# Altium PCB edison_gateway_v3.PcbDoc (part 3 of 3)
Units mil, origin at the board's own origin, x right, y up, seen from the top; angles counter-clockwise.
Board outline 3917.32 x 3149.61 mil, 6 copper layers (Top Layer, GND, Signal Layer 1, VCC, GND (Mid4), Bottom Layer), stack 48.468 mil thick; 252 components, 213 nets, 1042 pads, 505 vias.
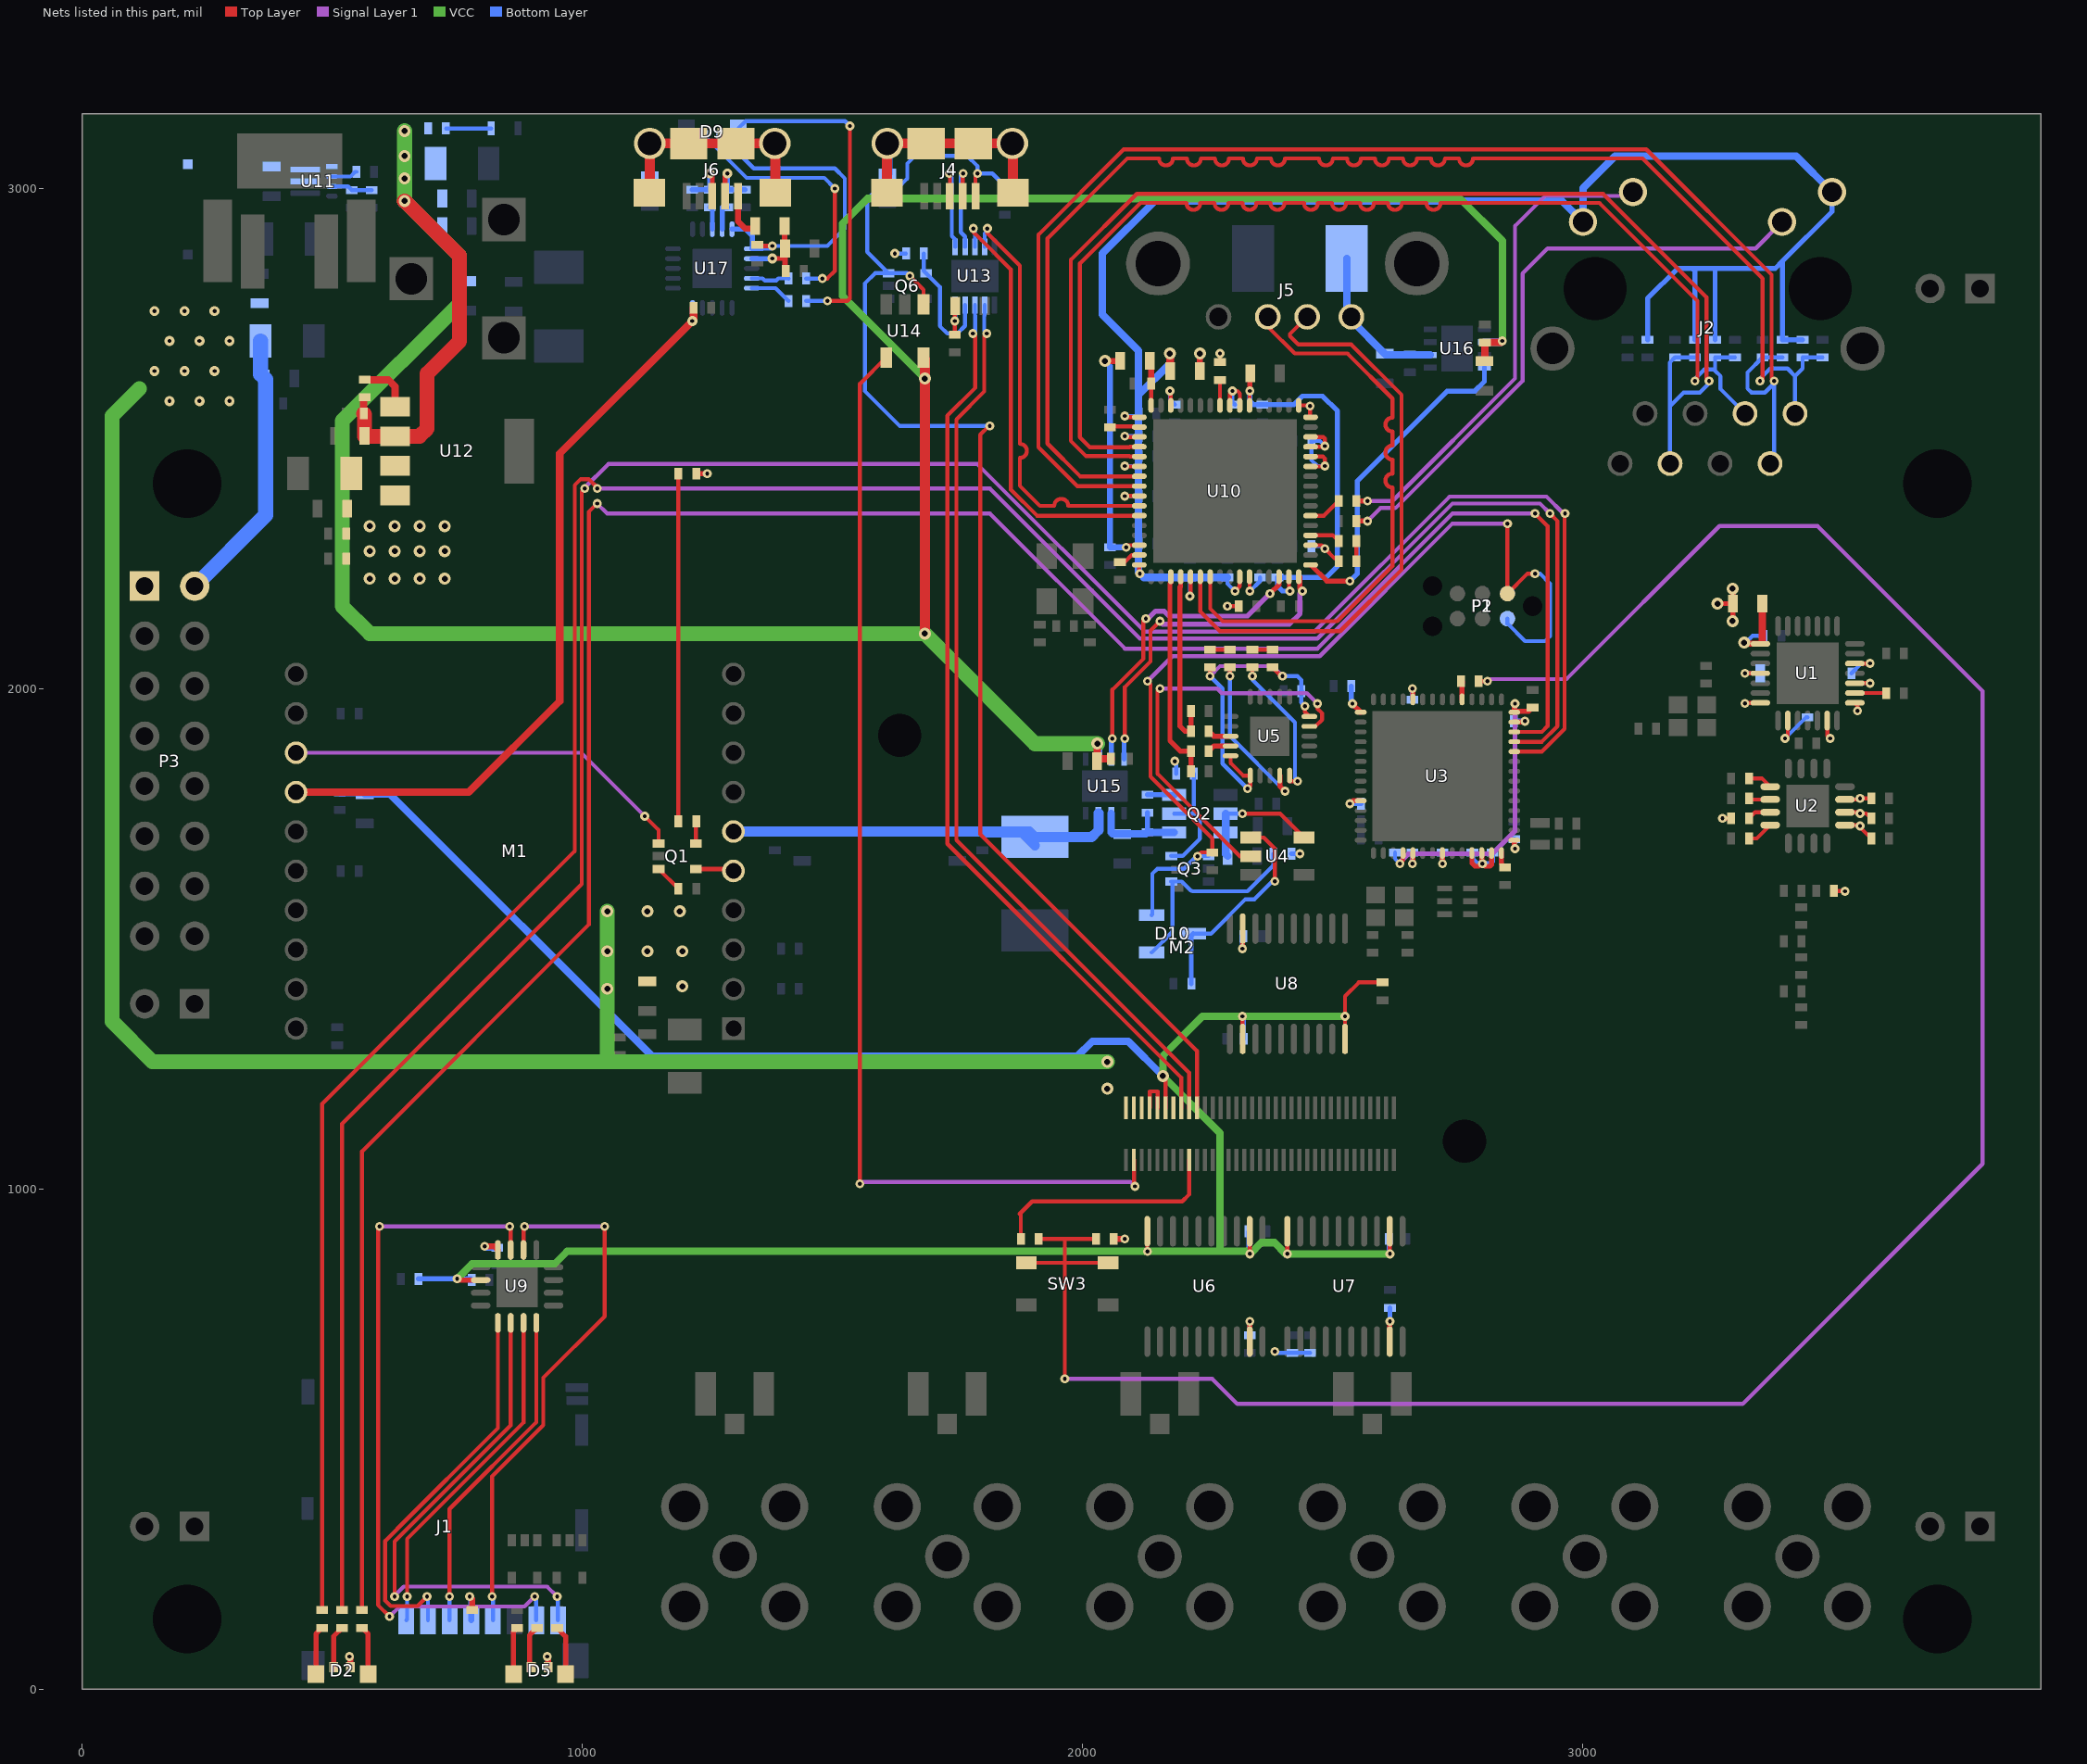
[diagram p7: the nets of this part, all layers, seen from the top]

## Via types
v1: diameter 18, hole 8, Top Layer to Bottom Layer, 397 vias
v2: diameter 24, hole 12, Top Layer to Bottom Layer, 59 vias
v3: diameter 20, hole 8, Top Layer to Bottom Layer, 28 vias
v4: diameter 22, hole 8, Top Layer to Bottom Layer, 13 vias
v5: diameter 19.68, hole 8, Top Layer to Bottom Layer, 8 vias

## Nets (pads, with @x,y where several pads share a name; then routed paths per layer and width w, separated by ;. In a path a pad name is that pad's centre, name@x,y a point inside that pad or via, vN(x,y) a via of type N, cw(c..) or ccw(c..) an arc to the next point about the centre after c; other vN are vias at no path point) (continued)
NetC64_1: C64.1 C65.1 U3.32 U3.56 | length 622.3
  Top Layer w8: v1(2635.34,1650) 2641.32,1655.98 2641.32,1671.46 U3.32@2641.42,1671.46
  Top Layer w10: v1(2865.32,1970) 2863.86,1968.54 U3.56@2863.86,1952.95 2865.91,1955 2893.03,1955 C64.1@2900.32,1962.28
  Signal Layer 1 w10: v1(2635.34,1650) 2635.34,1653.31 2652.03,1670 2820.32,1670 2865.32,1715 v1(2865.32,1970)
  Bottom Layer w8: C65.1@2625.32,1672.28 2625.32,1660.02 v1(2635.34,1650)
NetC107_1: C107.1 C108.1 FB9.1 U17.12 | length 153
  Top Layer w10: v3(1380.32,2860) 1405.79,2860
  Top Layer w12: FB9.1@1404.84,2920 1404.84,2880.94 C107.1@1405.79,2880 1405.79,2860 1405.79,2836.81 C108.1@1407.6,2835
  Bottom Layer w10: U17.12@1339.06,2859.68 1380,2859.68 v3(1380.32,2860)
NetC109_1: C109.1 J6.2 R58.1 | length 114.4
  Top Layer w10: J6.2@1285.91,2984.68 1285.91,3025.59 v3(1290.32,3030)
  Bottom Layer w10: v3(1290.32,3030) R58.1@1290.32,2997.72 C109.1@1325.32,2997.72
NetC110_1: C110.1 J6.3 R59.1 | length 114.7
  Top Layer w10: v3(1255.32,3030) 1260.32,3025 J6.3@1260.32,2984.68
  Bottom Layer w10: C110.1@1220.32,2997.72 R59.1@1255.32,2997.72 v3(1255.32,3030)
NetD1_2: D1.2 R5.1 | length 695
  Top Layer w8: R5.1@1192.6,1735 D1.2@1192.6,2430
NetD2_1: D2.1 R18.1 | length 97.3
  Top Layer w10: R18.1@560,122.28 572.17,110.12 D2.1@572.17,30
NetD2_3: D2.3 R19.2 | length 85.4
  Top Layer w10: D2.3@503.27,43.78 503.27,105.55 R19.2@520,122.28
NetD2_4: D2.4 R20.1 | length 97.3
  Top Layer w10: D2.4@467.83,30 467.83,110.12 R20.1@480,122.28
NetD3_1: D3.1 R22.1 | length 40
  Top Layer w8: D3.1@2340.32,2077.72 R22.1@2380.32,2077.72
NetD3_2: D3.2 U5.15 | length 280.2
  Top Layer w8: v1(2340.32,2025) D3.2@2340.32,2042.28 ; U5.15@2414.69,1815 v1(2430.32,1815)
  Bottom Layer w8: v1(2340.32,2025) 2340.32,2017.6 2425.32,1932.6 2425.32,1820 v1(2430.32,1815)
NetD4_1: D4.1 R23.1 | length 40
  Top Layer w8: R23.1@2255.32,2077.72 D4.1@2295.32,2077.72
NetD4_2: D4.2 U5.14 | length 328.4
  Top Layer w8: v1(2295.32,2025) D4.2@2295.32,2042.28
  Top Layer w10: U5.14@2395,1826.26 2395,1805.31 v1(2405.32,1795)
  Bottom Layer w8: v1(2295.32,2025) 2295.32,1905 v1(2405.32,1795)
NetD5_1: D5.1 R27.2 | length 99.4
  Top Layer w10: R27.2@950,122.28 967.17,105.12 D5.1@967.17,30
NetD5_3: D5.3 R28.2 | length 86.1
  Top Layer w10: D5.3@898.27,43.78 895,47.05 895,107.28 R28.2@910,122.28
NetD5_4: D5.4 R29.2 | length 95.3
  Top Layer w10: D5.4@862.83,30 862.83,115.12 R29.2@870,122.28
NetD6_2: D6.2 R46.1 | length 40
  Top Layer w8: D6.2@2548.03,2260 R46.1@2548.03,2300
NetD8_1: D8.1 R53.2 | length 90.7
  Bottom Layer w8: R53.2@727.72,3120 D8.1@818.43,3120
NetD9_1: D9.1 R60.1 | length 667.2
  Top Layer w8: v1(1490.32,2775) 1530.32,2775 1535.32,2780 v1(1535.32,3125)
  Bottom Layer w8: D9.1@1312.48,3120 1327.09,3134.61 1525.71,3134.61 v1(1535.32,3125) ; R60.1@1448.03,2775 v1(1490.32,2775)
NetD9_3: D9.3 R61.1 | length 534.2
  Top Layer w8: v1(1480.32,2820) 1490.32,2820 1505.32,2835 v1(1505.32,3000)
  Bottom Layer w8: D9.3@1243.58,3106.22 1328.8,3021 1484.32,3021 v1(1505.32,3000) ; R61.1@1448.03,2820 v1(1480.32,2820)
NetD10_1: D10.1 Q3.1 R15.2 | length 417
  Bottom Layer w8: D10.1@2138.98,1472.6 2180.32,1513.94 2180.32,1612.01 Q3.1@2177.91,1614.41 2199.04,1614.41 2217.45,1596 2219.32,1596 2220.32,1595 2330.32,1595 2382.6,1647.28 R15.2@2382.6,1670
NetD10_3: D10.3 R62.1 U4.1 | length 438.2
  Top Layer w8: U4.1@2337.17,1702.4 2362.91,1702.4 2385.32,1680 v1(2385.32,1615)
  Bottom Layer w8: D10.3@2221.65,1510 2257.32,1510 2326.32,1579 2344.32,1579 2385.32,1620 v1(2385.32,1615)
  Bottom Layer w10: R62.1@2218.03,1410 2218.03,1506.38 D10.3@2221.65,1510
NetFB8_2: FB8.2 J4.6 | length 508.1
  Top Layer w20: J4.6@1609.33,2991.57 1609.33,3089.02 J4.6@1610.32,3090 J4.6@1688.07,3090 J4.6@1782.56,3090 J4.6@1860.32,3090 1861.3,3089.02 J4.6@1861.3,2991.57
  Bottom Layer w20: FB8.2@1610.32,3029.53 J4.6@1610.32,3090
NetFB9_2: FB9.2 J6.1 | length 90.6
  Top Layer w12: J6.1@1311.5,2984.68 1311.5,2934.29 1325.79,2920 FB9.2@1345.79,2920
NetFB10_2: FB10.2 J6.6 | length 535.6
  Top Layer w20: J6.6@1150.79,2975.12 1135.32,2990.59 J6.6@1135.32,3090 J6.6@1213.07,3090 J6.6@1307.56,3090 J6.6@1385.32,3090 1386.3,3089.02 J6.6@1386.3,2991.57
  Bottom Layer w20: FB10.2@1135.32,3024.53 J6.6@1135.32,3090
NetJ2_10: J2.10 R48.2 | length 1224.9
  Top Layer w10: R48.2@2548.03,2335 v1(2570.32,2335)
  Signal Layer 1 w8: v1(2570.32,2335) 2596.32,2361 2626.11,2361 2880.32,2615.2 2880.32,2830 2930.32,2880 3346.26,2880 J2.10@3399.33,2933.07
NetJ2_11: J2.11 R49.2 | length 987.9
  Top Layer w10: R49.2@2548.03,2375 v1(2570.32,2375)
  Signal Layer 1 w8: v1(2570.32,2375) 2620.32,2375 2865.32,2620 2865.32,2925 2925.32,2985 3093.39,2985 J2.11@3101.3,2992.91
NetJ4_1: J4.1 M2.20 Q6.5 R56.1 U14.1 | length 2810.3
  Top Layer w8: v1(1655.32,2825) 1682.72,2797.6 U14.1@1682.72,2768.15 ; J4.1@1786.5,2984.68 1786.5,3026.18 v1(1790.32,3030) ; v1(1815,2525) 1813.45,2525 1796.32,2507.87 1796.32,1709 2229.33,1275.98 M2.20@2229.33,1161.97
  Bottom Layer w8: v1(1655.32,2825) 1649.72,2830.59 Q6.5@1612.91,2830.59 ; v1(1815,2525) 1635.32,2525 1565.32,2595 1565.32,2810 1585.91,2830.59 Q6.5@1612.91,2830.59 ; R56.1@1845.32,2982.72 1845.32,3005 1820.32,3030 v1(1790.32,3030) 1790.32,3045 1770.32,3065 1665.32,3065 1650.32,3050 1650.32,3020 1630.32,3000 1592.28,3000 1570.32,2978.03 1570.32,2873.19 Q6.5@1612.91,2830.59
NetL5_2: L5.2 U11.6
NetM1_5: M1.5 Q1.1 | length 76.5
  Top Layer w10: Q1.1@1227.72,1639.41 1298.84,1639.41 M1.5@1302.62,1635.63
NetM1_13: M1.13 Q1.3 | length 815.7
  Top Layer w8: v1(1125.32,1745) 1152.91,1717.4 Q1.3@1152.91,1690.59
  Signal Layer 1 w8: M1.13@428.01,1871.85 998.46,1871.85 v1(1125.32,1745)
NetM2_3: M2.3 U14.4 | length 2284
  Top Layer w8: v1(1555.32,1010) 1555.32,2609.25 U14.4@1607.91,2661.85 ; M2.3@2103.35,1058.03 2103.35,1005 v1(2105.32,1005)
  Signal Layer 1 w8: v1(1555.32,1010) 1559.32,1014 2096.32,1014 v1(2105.32,1005)
NetM2_17: M2.17 R37.1 | length 475
  Top Layer w8: R37.1@1877.28,900 1877.28,947.72 1875,950 1900,975 2200,975 2213.58,988.58 M2.17@2213.58,1058.03
NetQ1_2: Q1.2 R5.2 | length 44.5
  Top Layer w8: Q1.2@1227.72,1690.59 1227.72,1734.68 R5.2@1228.03,1735
NetQ1_5: Q1.5 R7.2 | length 56
  Top Layer w8: Q1.5@1152.91,1639.41 1153.19,1639.41 R7.2@1192.6,1600
NetQ2_5: Q2.5 Q3.2 R14.2 | length 248.3
  Bottom Layer w8: Q3.2@2177.91,1665.59 2200.91,1665.59 2235.32,1700 2235.32,1740 2225.32,1750 ; Q2.5@2183.74,1750 2225.32,1750 ; R14.2@2223.03,1830 2223.03,1752.28 2225.32,1750
NetQ2_6: Q2.6 R13.2 | length 53.6
  Bottom Layer w10: R13.2@2130.32,1787.72 Q2.6@2183.43,1787.72
  Bottom Layer w15: Q2.6@2183.43,1787.72 Q2.6@2183.74,1787.4
NetQ6_1: Q6.1 R55.2 U13.9 | length 262.9
  Bottom Layer w8: R55.2@1683.03,2870 1683.03,2835.28 Q6.1@1687.72,2830.59 1715.32,2802.99 1715.32,2725 1730.32,2710 1750.32,2710 1765.63,2725.31 U13.9@1765.63,2766.93
NetR8_2: R8.2 U2.5 | length 49.4
  Top Layer w8: R8.2@3333.03,1820.63 3358.9,1820.63 U2.5@3375.51,1804.02
NetR9_2: R9.2 U2.6 | length 43.4
  Top Layer w8: R9.2@3333.03,1780.63 3335.24,1778.43 U2.6@3375.51,1778.43
NetR10_2: R10.2 U2.7 | length 47.5
  Top Layer w8: R10.2@3333.03,1740.63 3345.24,1752.83 U2.7@3375.51,1752.83
NetR11_1: R11.1 U2.8 | length 53.5
  Top Layer w8: R11.1@3333.03,1700.63 3348.9,1700.63 U2.8@3375.51,1727.24
NetR12_1: R12.1 U1.23 | length 63.1
  Top Layer w8: U1.23@3544.8,1991.26 3606.97,1991.26 R12.1@3607.6,1990.63
NetR18_2: R18.2 U3.54 | length 5020.8
  Top Layer w8: R18.2@560,157.72 560,1075 1013.32,1528.32 1013.32,2353.32 v1(1030,2370) ; U3.54@2863.86,1913.58 2918.9,1913.58 2930.32,1925 2930.32,2325 v1(2905.32,2350)
  Signal Layer 1 w8: v1(1030,2370) 1050,2350 1815.32,2350 2085.32,2080 2470.32,2080 2740.32,2350 v1(2905.32,2350)
NetR19_1: R19.1 U3.52 | length 5239.6
  Top Layer w8: R19.1@520,157.72 520,1130 999.32,1609.32 999.32,2394 v1(1005.32,2400) ; U3.52@2863.86,1874.21 2919.13,1874.21 2964.32,1919.4 2964.32,2349 v1(2965.32,2350)
  Signal Layer 1 w8: v1(1005.32,2400) 1005.32,2401.87 1052.45,2449 1790.32,2449 2125.32,2114 2464.52,2114 2734.52,2384 2928.18,2384 2962.18,2350 v1(2965.32,2350)
NetR20_2: R20.2 U3.53 | length 5197.3
  Top Layer w8: R20.2@480,157.72 480,1170 985.32,1675.32 985.32,2406.87 997.45,2419 1013.18,2419 1030.32,2401.87 v1(1030.32,2400) ; U3.53@2863.86,1893.9 2919.01,1893.9 2950.32,1925.2 2950.32,2335 v1(2935.32,2350)
  Signal Layer 1 w8: v1(1030.32,2400) 1815.32,2400 2115.32,2100 2470.32,2100 2740.32,2370 2915.32,2370 v1(2935.32,2350)
NetR21_2: R21.2 U5.9 | length 47.8
  Top Layer w10: R21.2@2253.03,1875 2263.35,1885.31 U5.9@2296.57,1885.31
NetR24_2: R24.2 U5.8 | length 47.7
  Top Layer w10: R24.2@2253.03,1915 2263.03,1905 U5.8@2296.57,1905
NetR26_1: R26.1 U3.42 | length 31.7
  Top Layer w10: U3.42@2838.27,1671.46 2838.27,1649.76 R26.1@2845.32,1642.72
NetR35_2: R35.2 R36.2 R37.2 SW3.1 SW3.2 | length 4830.2
  Top Layer w8: SW3.1@1888.31,852.32 1965,852.32 ; R37.2@1912.72,900 1965,900 ; v1(1965,620) 1965,852.32 ; R35.2@2027.28,900 1965,900 ; SW3.2@2051.69,852.32 1965,852.32 ; R36.2@2793.03,2015 v1(2810.32,2015) ; 1965,852.32 1965,900
  Signal Layer 1 w8: v1(1965,620) 2260,620 2310,570 3320.32,570 3800.32,1050 3800.32,1995 3470.32,2325 3274.32,2325 2968.32,2019 2814.32,2019 v1(2810.32,2015)
NetR36_1: R36.1 U3.5 | length 34.1
  Top Layer w10: U3.5@2759.53,1978.54 2759.53,2011.5 R36.1@2760.32,2012.28
NetR38_2: R38.2 U10.50 | length 58.7
  Top Layer w8: R38.2@2058.03,2520 2062.03,2524 2114.06,2524 U10.50@2114.06,2522.95
NetR39_2: R39.2 U10.41 | length 51.1
  Top Layer w8: R39.2@2275.32,2617.28 2275.47,2617.13 U10.41@2275.47,2566.26
NetR46_2: R46.2 U10.20 | length 60.8
  Top Layer w8: U10.20@2456.57,2306.42 2501.18,2306.42 R46.2@2512.6,2295
NetR50_1: R50.1 U11.2 | length 52.9
  Bottom Layer w8: U11.2@499.72,3023.95 536.85,3023.95 546.01,3033.11 R50.1@548.86,3033.11
NetR51_2: R51.2 R52.1 U11.3 | length 82.6
  Bottom Layer w8: U11.3@499.72,3004.27 531.85,3004.27 R51.2@539.29,2996.83 R52.1@579.29,2996.83
NetR54_2: R54.2 U12.1 | length 107.1
  Top Layer w15: R54.2@565.32,2617.72 612.6,2617.72 626.3,2604.02 U12.1@626.3,2563.58
NetR57_1: R57.1 U10.63 | length 44.7
  Top Layer w8: R57.1@2075.32,2252.72 2084.6,2252.72 2098.93,2267.05 U10.63@2114.06,2267.05
NetR58_2: R58.2 U17.9 | length 53.9
  Bottom Layer w10: U17.9@1280,2918.74 1280,2962.28 R58.2@1290.32,2962.28
NetR59_2: R59.2 U17.8 | length 48.5
  Bottom Layer w10: R59.2@1255.32,2962.28 1260.32,2962.28 U17.8@1260.32,2918.74
NetR60_2: R60.2 U17.15 | length 84.2
  Bottom Layer w8: U17.15@1339.06,2800.63 1386.97,2800.63 R60.2@1412.6,2775
NetR61_2: R61.2 U17.14 | length 77.2
  Bottom Layer w8: U17.14@1339.06,2820.31 1361,2820.31 1365.32,2816 1388.18,2816 1392.5,2820.31 1412.28,2820.31 R61.2@1412.6,2820
NetU4_2: U4.2 U5.19 | length 821.8
  Top Layer w8: v1(2155.32,2000) 2150.32,1995 2150.32,1830 2315.32,1665 U4.2@2337.17,1665 ; U5.19@2454.06,1924.68 2466.3,1924.68 2479.8,1938.19 2479.8,1950.55 2470.32,1960.04 v1(2470.32,1970)
  Signal Layer 1 w8: v1(2155.32,2000) 2270.32,2000 2279.32,1991 2449.32,1991 v1(2470.32,1970)
RX_N: C48.1 J2.6 R44.2 U10.53 | length 2450.3
  Top Layer w8: U10.53@2114.06,2463.9 2095.29,2463.9 2094.45,2464.74 2007.86,2464.74 1977.32,2495.28 1977.32,2857.46 2109.08,2989.22 3041.55,2989.22 3248.04,2782.73 ; 3248.32,2782.73 3248.32,2620 v1(3253.32,2615)
  Bottom Layer w8: J2.6@3175.32,2450 3175.32,2565 ; R44.2@3225.32,2662.28 C48.1@3185.32,2662.28 3175.32,2652.28 3175.32,2565 ; v1(3253.32,2615) 3253.32,2610.47 3234.84,2592 3202.32,2592 3175.32,2565
RX_P: C47.1 J2.3 R43.2 U10.52 | length 2377.4
  Top Layer w8: U10.52@2114.06,2483.58 2095.29,2483.58 2094.45,2482.74 2015.32,2482.74 1995.32,2502.74 1995.32,2850 2116.54,2971.22 2180.32,2971.22 2208.32,2971.22 ccw(c2222.32,2971.22) 2236.32,2971.22 2264.32,2971.22 ccw(c2278.32,2971.22) 2292.32,2971.22 2320.32,2971.22 ccw(c2334.32,2971.22) 2348.32,2971.22 2376.32,2971.22 ccw(c2390.32,2971.22) 2404.32,2971.22 2415.32,2971.22 2443.32,2971.22 ccw(c2457.32,2971.22) 2471.32,2971.22 2499.32,2971.22 ccw(c2513.32,2971.22) 2527.32,2971.22 2555.32,2971.22 ccw(c2569.32,2971.22) 2583.32,2971.22 2611.32,2971.22 ccw(c2625.32,2971.22) 2639.32,2971.22 2640.32,2971.22 2660.32,2971.22 2688.32,2971.22 ccw(c2702.32,2971.22) 2716.32,2971.22 2744.32,2971.22 2750.32,2971.22 3034.09,2971.22 3230.32,2775 3230.32,2620 v1(3225.32,2615)
  Bottom Layer w8: v1(3225.32,2615) 3225.32,2619.53 3243.79,2638 3262.84,2638 3265.32,2635.53 ; C47.1@3305.32,2662.28 R43.2@3265.32,2662.28 3265.32,2635.53 ; J2.3@3325.32,2550 3276.32,2599 3276.32,2624.53 3265.32,2635.53
S\P\D\: R49.1 U10.22 | length 68.1
  Top Layer w8: U10.22@2456.57,2345.79 2483.39,2345.79 R49.1@2512.6,2375
SD_CLK: J1.5 U9.14 | length 1084.5
  Top Layer w8: v1(820,185) 820,425.2 922.39,527.59 922.39,622.39 1045,745 v1@1045,920 ; U9.14@882.8,877.83 882.8,922.8 v1(885,925)
  Signal Layer 1 w8: v1(885,925) v1(1045,925)
  Bottom Layer w8: v1(820,185) 821.65,183.35 J1.5@821.65,137.44
SD_CMD: J1.3 U9.8 | length 666.6
  Top Layer w8: v1(735,185) 735,360 908.39,533.39 U9.8@908.39,732.17
  Bottom Layer w8: J1.3@735.04,137.44 735,137.48 v1(735,185)
SD_DAT0: J1.7 U9.15 | length 1454.3
  Top Layer w8: v1(595,925) 592,922 592,168 v1(615,145) ; v1(855,925) 857.2,922.8 U9.15@857.2,877.83
  Signal Layer 1 w8: v1(595,925) v1(855,925) ; v1(615,145) 635,165 885,165 v1(905,185)
  Bottom Layer w8: v1(905,185) 908.27,181.73 J1.7@908.27,137.44
SD_DAT1: J1.8 U9.6 | length 1034.2
  Top Layer w8: v1(625,185) 625,295 857.2,527.2 U9.6@857.2,732.17
  Signal Layer 1 w8: v1(625,185) 625,186.87 643.13,205 930,205 v1(950,185)
  Bottom Layer w8: v1(950,185) 951.57,183.43 J1.8@951.57,137.44
SD_DAT2: J1.1 U9.7 | length 691.8
  Top Layer w8: v1(650,185) 650,300 882.8,532.8 U9.7@882.8,732.17
  Bottom Layer w8: J1.1@648.43,137.44 650,139.02 v1(650,185)
SD_DAT3: J1.2 U9.5 | length 793.2
  Top Layer w8: v1(690,185) 671,166 617.13,166 606,177.13 606,295.8 630,319.8 630,320 831.61,521.61 U9.5@831.61,732.17
  Bottom Layer w8: v1(690,185) 691.73,183.27 J1.2@691.73,137.44
TX_N: C46.1 J2.2 R42.2 U10.56 | length 2860.8
  Top Layer w8: U10.56@2114.06,2404.84 1990.02,2404.84 1912.32,2482.54 1912.32,2907.46 2082.86,3078 3127.77,3078 3378.32,2827.46 3378.32,2620 v1(3383.32,2615)
  Bottom Layer w8: J2.2@3375.32,2450 3383.32,2458 v1@3383.32,2610.47 ; v1(3383.32,2615) v1@3383.32,2610.47 ; R42.2@3400.32,2662.28 C46.1@3360.32,2662.28 3330.32,2632.28 3330.32,2600 3338.32,2592 3364.84,2592 v1@3383.32,2610.47
TX_P: C45.1 J2.1 R41.2 U10.55 | length 2861.1
  Top Layer w8: U10.55@2114.06,2424.53 1995.79,2424.53 1930.32,2490 1930.32,2900 2090.32,3060 2125.32,3060 2153.32,3060 ccw(c2167.32,3060) 2181.32,3060 2209.32,3060 ccw(c2223.32,3060) 2237.32,3060 2265.32,3060 ccw(c2279.32,3060) 2293.32,3060 2321.32,3060 ccw(c2335.32,3060) 2349.32,3060 2377.32,3060 ccw(c2391.32,3060) 2405.32,3060 2433.32,3060 ; 2419.32,3060 2433.32,3060 ; v1(3355.32,2615) 3360.32,2620 3360.32,2820 3120.32,3060 2800.32,3060 2781.32,3060 cw(c2767.32,3060) 2753.32,3060 2725.32,3060 cw(c2711.32,3060) 2697.32,3060 2669.32,3060 cw(c2655.32,3060) 2641.32,3060 2613.32,3060 cw(c2599.32,3060) 2585.32,3060 2557.32,3060 cw(c2543.32,3060) 2529.32,3060 2501.32,3060 cw(c2487.32,3060) 2473.32,3060 2445.32,3060 2433.32,3060
  Bottom Layer w8: v1(3355.32,2615) 3355.32,2619.53 3375.79,2640 3410.32,2640 3425.32,2625 ; J2.1@3425.32,2550 3425.32,2625 ; C45.1@3480.32,2662.28 R41.2@3440.32,2662.28 3440.32,2640 3425.32,2625
USB_EDISON_N: M2.18 U13.7 | length 1825.3
  Top Layer w8: v1(1809.16,2710) 1804.16,2705 1804.16,2594.16 1748.32,2538.32 1748.32,1697.46 2213.58,1232.19 M2.18@2213.58,1161.97
  Bottom Layer w8: U13.7@1805,2766.93 1805,2746.2 1804.16,2745.35 1804.16,2715 v1(1809.16,2710)
USB_EDISON_P: M2.16 U13.8 | length 1826.2
  Top Layer w8: v1(1781.16,2710) 1786.16,2705 1786.16,2601.61 1730.32,2545.77 1730.32,1690 2197.83,1222.48 M2.16@2197.83,1161.97
  Bottom Layer w8: v1(1781.16,2710) 1786.16,2715 1786.16,2745.35 1785.32,2746.2 U13.8@1785.32,2766.93
USB_FTDI_N: C27.2 R21.1 U10.3 | length 419.2
  Top Layer w10: U10.3@2176.73,2223.74 2176.73,2212.26 2175.32,2210.84 2175.32,1896.13 2196.44,1875 R21.1@2217.6,1875 C27.2@2217.6,1835
USB_FTDI_P: C28.2 R24.1 U10.4 | length 365.8
  Top Layer w10: U10.4@2196.73,2223.74 2196.73,2203.98 2195.32,2202.56 2195.32,1925 2205.32,1915 R24.1@2217.6,1915 C28.2@2217.6,1955
USB_SLAVE_N: J4.2 U13.2 | length 198.3
  Top Layer w8: J4.2@1760.91,2984.68 1760.91,3028.8 v1(1762.11,3030)
  Bottom Layer w8: v1(1762.11,3030) 1757.11,3025 1757.11,2912.32 1765.63,2903.8 U13.2@1765.63,2883.07
USB_SLAVE_P: J4.3 U13.1 | length 197.6
  Top Layer w8: v1(1734.11,3030) 1735.32,3028.8 J4.3@1735.32,2984.68
  Bottom Layer w8: v1(1734.11,3030) 1739.11,3025 1739.11,2904.87 1745.94,2898.03 U13.1@1745.94,2883.07
USB_SW_EN2: U10.14 U15.3 | length 627.8
  Top Layer w8: v1(2060.32,1900) 2060.32,1998 2122.32,2060 2122.32,2135 v1(2127.31,2140)
  Top Layer w10: v1(2375.32,2190) 2393.58,2208.27 U10.14@2393.58,2223.74
  Signal Layer 1 w10: v1(2127.31,2140) 2132.03,2140 2147.03,2155 2163.6,2155 2173.6,2145 2330.32,2145 v1(2375.32,2190)
  Bottom Layer w10: U15.3@2058.11,1859.13 2058.11,1897.8 v1(2060.32,1900)
USB_SW_EN3: U10.16 U15.4 | length 677
  Top Layer w8: v1(2085.32,1900) 2085.32,2003.2 2136.32,2054.2 2136.32,2116 v1(2155.32,2135)
  Top Layer w10: U10.16@2432.95,2223.74 2435.32,2223.74 2435.32,2200 v1(2440.32,2195)
  Signal Layer 1 w10: v1(2155.32,2135) 2161.32,2129 2414.32,2129 2435.32,2150 2435.32,2190 v1(2440.32,2195)
  Bottom Layer w10: U15.4@2083.7,1859.13 2083.7,1898.39 v1(2085.32,1900)
USB_SW_EN4: U10.17 U16.4 | length 662.3
  Top Layer w10: U10.17@2456.57,2247.36 2488.94,2215 v1(2535.32,2215)
  Bottom Layer w10: v1(2535.32,2215) 2550.32,2230 2550.32,2415.32 2730,2595 2785,2595 2804.13,2614.13 U16.4@2804.13,2641.61
USB_TYPE_A_RCPT_N: J5.2 U10.6 | length 1212.9
  Top Layer w8: U10.6@2236.1,2223.74 2236.1,2154.23 2275.33,2115 2515.77,2115 2638.32,2237.54 2638.32,2587.46 2537.77,2688 2432.32,2688 2415.32,2705 2415.32,2708.94 J5.2@2449.69,2743.31
USB_TYPE_A_RCPT_P: J5.3 U10.7 | length 1207.5
  Top Layer w8: U10.7@2255.79,2223.74 2255.79,2160 2280.79,2135 2510.32,2135 2620.32,2245 2620.32,2318 2620.32,2346 ; J5.3@2370.94,2743.31 2370.94,2723.91 2424.86,2670 2530.32,2670 2620.32,2580 2620.32,2570 2620.32,2542 ccw(c2620.32,2528) 2620.32,2514 2620.32,2486 ccw(c2620.32,2472) 2620.32,2458 2620.32,2430 ccw(c2620.32,2416) 2620.32,2402 2620.32,2374 ; 2620.32,2340 2620.32,2346 ; 2620.32,2380 2620.32,2374 ; 2620.32,2346 2620.32,2374
USB_UPSTREAM_N: U10.58 U13.4 | length 867.9
  Top Layer w8: v1(1810.32,2920) 1810.32,2910.46 1875.32,2845.46 1875.32,2535 1875.32,2517.47 1875.32,2489.47 cw(c1875.32,2475.47) 1875.32,2461.47 1875.32,2433.47 1875.32,2405.47 1915.32,2365.47 1916,2365.47 1944,2365.47 cw(c1958,2365.47) 1972,2365.47 2000,2365.47 U10.58@2114.06,2365.47
  Bottom Layer w8: U13.4@1805,2883.07 1805,2910.16 1810.32,2915.47 v1(1810.32,2920)
USB_UPSTREAM_P: U10.59 U13.3 | length 869.6
  Top Layer w8: v1(1782.32,2920) 1782.32,2913 1797.59,2897.73 1857.32,2838 1857.32,2398.02 1909.54,2345.79 U10.59@2114.06,2345.79
  Bottom Layer w8: v1(1782.32,2920) 1785.32,2917 U13.3@1785.32,2883.07
USB_VBUS2: C2.1 C3.1 C98.1 C100.1 C101.1 M1.6 U15.7 | length 897.9
  Bottom Layer w20: M1.6@1306.52,1710.47 M1.6@1302.62,1714.37 C98.1@1877.44,1714.37 ; C100.1@1800.32,1712.28 C98.1@1879.53,1712.28 ; C98.1@1905.32,1686.5 C98.1@1879.53,1712.28 ; U15.7@2032.52,1750.87 2032.52,1717.2 2030.32,1715 2018.82,1703.5 C98.1@1905.32,1703.5 1894.45,1714.37 C98.1@1877.44,1714.37 ; C98.1@1877.44,1714.37 C98.1@1879.53,1712.28
USB_VBUS3: C104.1 C105.1 Q2.4 R13.1 U15.6 | length 206.3
  Bottom Layer w10: C104.1@2130.32,1712.72 R13.1@2130.32,1752.28
  Bottom Layer w15: U15.6@2058.11,1750.87 2058.11,1712.2 2060.79,1709.53 C105.1@2080.32,1709.53 2127.13,1709.53 C104.1@2130.32,1712.72 2183.62,1712.72 Q2.4@2183.74,1712.6
USB_VBUS4: C99.1 C102.1 C103.1 J5.1 U16.6 | length 313.9
  Bottom Layer w15: C99.1@2528.82,2860 2528.82,2752.76 J5.1@2538.27,2743.31 2538.27,2736.26 C103.1@2605,2669.53 2606.81,2667.72 C102.1@2655,2667.72 2655.51,2667.2 U16.6@2695.87,2667.2
USB_VBUS_GATED: FB3.2 Q2.2 Q2.3 U4.5 | length 262.9
  Top Layer w8: v1(2320.32,1750) 2395.87,1750 U4.5@2443.46,1702.4
  Bottom Layer w8: Q2.2@2286.89,1750 v1(2320.32,1750)
  Bottom Layer w15: Q2.2@2286.89,1750 Q2.3@2286.89,1712.6 2286.89,1668.9 FB3.2@2290.79,1665
V_FTDI_IO: C26.1 R22.2 R23.2 U5.10 U5.11 U5.20 | length 670.7
  Top Layer w8: v1(2255.32,2025) R23.2@2255.32,2042.28 ; U5.10@2296.57,1865.63 2296.57,1851.26 2321.57,1826.26 U5.11@2335.95,1826.26 2335.95,1805.63 v1(2330.32,1800) ; R22.2@2380.32,2042.28 2397.6,2025 v1(2400.32,2025) ; v1(2445.32,1965) 2445.32,1953.11 U5.20@2454.06,1944.37
  Signal Layer 1 w8: v1(2255.32,2025) 2275.32,2045 2380.32,2045 v1(2400.32,2025)
  Bottom Layer w8: v1(2255.32,2025) 2280.32,2000 2280.32,1850 v1(2330.32,1800) ; v1@2408.03,2025 2430.32,2025 2438.03,2017.28 C26.1@2438.03,1995 2438.03,1972.28 v1(2445.32,1965)
  Bottom Layer w10: C26.1@2438.03,1995 C26.1@2440.32,1992.72
V_FTDI_IO2: C111.1 D9.2 U17.10 U17.11 | length 706.3
  Top Layer w10: C111.1@1353.03,2885 v1(1380.32,2885)
  Bottom Layer w8: D9.2@1277.05,3106.22 1343.27,3040 1505.32,3040 1525.32,3020 1525.32,2920 1490.32,2885 v1(1380.32,2885)
  Bottom Layer w10: U17.10@1299.69,2918.74 1326.57,2918.74 1340.32,2905 U17.11@1340.32,2881 ; 1359.68,2879.37 U17.11@1339.06,2879.37 1339.06,2881 U17.11@1340.32,2881 ; v1(1380.32,2885) 1376.32,2881 U17.11@1340.32,2881
V_PROG: D10.2 P1.1 P2.1 Q3.3 R17.1 | length 1958.6
  Top Layer w8: v1(2130.32,2015) 2136.32,2009 2136.32,1824.2 2260.32,1700.2 R17.1@2260.32,1672.72 2238.03,1672.72 v1(2230.32,1665) ; v1(2850.32,2330) P2.1@2850.32,2190 2890.32,2230 v1(2905.32,2230)
  Signal Layer 1 w8: v1(2130.32,2015) 2180.32,2065 2475.11,2065 2740.11,2330 v1(2850.32,2330)
  Bottom Layer w8: D10.2@2138.98,1547.4 2140.32,1548.74 2140.32,1630 2150.32,1640 2203.45,1640 2228.45,1665 v1(2230.32,1665) 2230.91,1665.59 Q3.3@2252.72,1665.59 ; P1.1@2850.32,2140 2850.32,2130 2885.32,2095 2925.32,2095 2935.32,2105 2935.32,2210 2915.32,2230 v1(2905.32,2230)
VCC1.8_EDISON: C6.1 C7.1 C32.1 C33.1 C34.1 C35.1 C106.1 M1.14 M2.12 R33.1 R34.1 U6.2 U6.10 U7.2 U7.10 U8.2 U8.10 U9.2 U17.20 | length 7001.9
  Top Layer w8: U6.10@2130.16,915.24 2130.16,875.16 v1(2130.32,875) ; v2(2161.13,1225.81) 2166.34,1220.61 M2.12@2166.34,1161.97 ; v1(2320.32,1345) 2320.32,1300.2 U8.2@2320.75,1299.76 ; U6.2@2334.88,915.24 2334.88,870.43 v1(2335.32,870) ; U7.10@2410.16,915.24 2410.16,870.16 v1(2410.32,870) ; U8.10@2525.47,1299.76 2525.47,1344.84 v1(2525.32,1345) 2525.32,1385 2553.03,1412.72 R34.1@2600.32,1412.72 ; U7.2@2614.88,915.24 2614.88,870.43 v1(2615.32,870)
  Top Layer w10: v1(750,820) 752.2,817.8 U9.2@797.17,817.8
  Top Layer w15: M1.14@428.01,1793.11 773.43,1793.11 955.32,1975 955.32,2470 v3(1220.32,2735) 1222.91,2737.6 C106.1@1222.91,2761.26
  VCC w15: v1(750,820) 780,850 945,850 970,875 v1(2130.32,875) 2275.32,875 ; v1(2525.32,1345) v1(2320.32,1345) 2240.32,1345 2161.13,1265.81 v2(2161.13,1225.81) 2275.32,1111.63 2275.32,875 ; v1(2615.32,870) v1(2410.32,870) 2407.13,870 2384.63,892.5 2357.82,892.5 v1(2335.32,870) 2330.32,875 2275.32,875
  Bottom Layer w8: v1(2320.32,1345) 2323.03,1342.28 C34.1@2323.03,1300 ; C33.1@2332.6,915 2332.6,872.72 v1(2335.32,870) ; C32.1@2612.6,900 2612.6,872.72 v1(2615.32,870)
  Bottom Layer w10: R33.1@672.72,820 v1(750,820) 777.24,820 C35.1@779.45,817.8 ; v3(1220.32,2735) 1220.95,2735.63 U17.20@1220.95,2761.26
  Bottom Layer w15: M1.14@428.01,1793.11 514.92,1793.11 C6.1@515.32,1792.72 562.13,1792.72 C7.1@565.32,1789.53 615.32,1789.53 1139.84,1265 1990.32,1265 2020.32,1295 2091.94,1295 v2(2161.13,1225.81)
VCC3.3: C36.1 C37.1 C38.1 C39.1 C40.1 C58.1 C61.1 C62.1 C63.1 C66.1 C67.1 C68.1 C69.1 C75.1 C76.1 C77.1 C78.1 C79.1 C80.1 C81.1 C82.1 C90.1 C91.1 C92.1 C93.1 D1.1 D2.2 D5.2 D6.1 FB2.2 FB6.2 J1.4 P3.1 R14.1 R15.1 R30.1 R31.1 R35.1 R39.1 R47.1 R55.1 U3.10 U3.15 U3.24 U3.33 U3.36 U3.39 U3.40 U3.41 U3.43 U3.55 U6.19 U7.19 U8.19 U9.16 U10.11 U10.19 U10.27 U10.28 U10.29 U10.30 U10.32 U10.33 U10.39 U10.40 U10.46 U12.3 U12.4 U13.10 | length 1951.9
  Top Layer w8: C92.1@1745.32,2707.72 v1(1745.32,2735) 1745.32,2764.53 C93.1@1745.79,2765 ; v1(2175.32,2595) 2177.05,2593.27 U10.46@2177.05,2566.26 ; R39.1@2275.32,2652.72 v1(2275.32,2670) ; v1(2290.32,2165) R47.1@2312.6,2165 ; U10.40@2295.16,2566.26 2295.16,2589.84 v1(2300.32,2595) 2310.32,2595 2315.32,2590 2315.32,2566.73 U10.39@2314.84,2566.26 ; U10.11@2334.53,2223.74 2334.53,2195.79 v1(2335.32,2195) ; U10.33@2432.95,2566.26 2454.06,2566.26 v1(2455.32,2565) 2455.32,2543.9 U10.32@2456.57,2542.64 ; U10.19@2456.57,2286.73 2478.58,2286.73 v1(2485.32,2280) 2505.32,2260 D6.1@2512.6,2260 ; U10.27@2456.57,2444.21 2484.53,2444.21 v1(2485.32,2445) 2485.32,2460 2481.42,2463.9 U10.28@2456.57,2463.9 ; U10.29@2456.57,2483.58 2483.9,2483.58 v1(2485.32,2485) 2485.32,2500 2482.05,2503.27 U10.30@2456.57,2503.27
  Top Layer w10: D1.1@1228.03,2430 v1(1250.32,2430) ; v1(2320.32,1480) 2320.75,1480.43 U8.19@2320.75,1520.24 ; U6.19@2334.88,694.76 2334.88,734.57 v1(2335.32,735) ; v1(2535.32,1770) 2541.1,1775.79 U3.24@2556.77,1775.79 ; v1@2545.32,1970 v1(2540.32,1970) 2540.32,1969.41 U3.15@2556.77,1952.95 ; U7.19@2614.88,694.76 2614.88,734.57 v1(2615.32,735) ; v1(2660.32,1650) 2661.1,1650.79 U3.33@2661.1,1671.46 ; v1(2660.32,2000) 2661.1,1999.21 U3.10@2661.1,1978.54 ; U3.36@2720.16,1671.46 2720.16,1650.16 v1(2720.32,1650) ; U3.39@2779.21,1671.46 2779.21,1651.1 2785.32,1645 2792.48,1645 v1@2798.9,1651.42 ; U3.40@2798.9,1671.46 v1@2798.9,1651.42 ; U3.41@2818.58,1671.46 2818.58,1648.27 2815.32,1645 2805.32,1645 v1(2800.32,1650) v1@2798.9,1651.42 ; U3.43@2863.86,1697.05 2863.86,1681.46 v1(2865.32,1680) ; U3.55@2863.86,1933.27 2883.58,1933.27 v1(2885.32,1935) ; v2(3270.32,2170) FB2.2@3300.79,2170 ; v2(3300.32,2135) 3300.79,2135.47 FB2.2@3300.79,2170 ; v2(3300.32,2200) 3300.79,2199.53 FB2.2@3300.79,2170
  Top Layer w12: v1(535,65) 536.73,63.27 D2.2@536.73,43.78 ; v1(775,185) 780,180 C39.1@780,157.72 ; v1(805,885) 824.45,885 U9.16@831.61,877.83 ; v1(930,65) 931.73,63.27 D5.2@931.73,43.78 ; R35.1@2062.72,900 v1(2085,900) ; FB6.2@2234.84,2635 2234.84,2669.53 v2(2235.32,2670)
  Bottom Layer w8: v1(1625.32,2870) R55.1@1647.6,2870 ; v1(1745.32,2735) 1745.94,2735.63 U13.10@1745.94,2766.93 ; v1(2175.32,2595) 2175.32,2577.72 C82.1@2185.32,2567.72 ; v1(2185.32,1855) 2187.6,1852.72 R14.1@2187.6,1830 ; v1(2300.32,2595) 2300.32,2572.72 C81.1@2305.32,2567.72 ; v1(2335.32,2195) 2355.32,2215 C78.1@2355.32,2222.28 ; v1(2385.32,675) 2388.03,672.28 R31.1@2420.32,672.28 R30.1@2455.32,672.28 ; C79.1@2458.03,2285 2480.32,2285 v1(2485.32,2280) ; v1(2485.32,2445) 2470.32,2445 2458.03,2457.28 C80.1@2458.03,2495 2475.32,2495 v1(2485.32,2485)
  Bottom Layer w10: v1(2320.32,1480) C37.1@2320.32,1505 ; C36.1@2335.32,707.72 v1(2335.32,735) ; R15.1@2418.03,1670 v1(2435.32,1670) ; v1(2535.32,1770) C68.1@2557.6,1770 ; C67.1@2538.03,2005 2538.03,1972.28 v1(2540.32,1970) ; v1(2615.32,735) C40.1@2615.32,762.28 ; v1(2660.32,1650) C75.1@2660.32,1672.28 ; C66.1@2660.32,1977.72 v1(2660.32,2000) ; v1(2720.32,1650) C76.1@2720.32,1672.28 ; C77.1@2780.32,1672.28 2780.32,1660 2790.32,1650 v1(2800.32,1650) 2815.32,1650 2820.32,1655 C90.1@2820.32,1672.28 ; C69.1@2863.03,1935 v1(2885.32,1935) ; C91.1@2863.86,1699.02 2863.86,1681.46 v1(2865.32,1680)
  Bottom Layer w12: v1(775,185) 778.35,181.65 J1.4@778.35,137.44 ; v1(805,885) 807.28,882.72 C38.1@830,882.72
  other v2: 575.32,2220 625.32,2220 675.32,2220 725.32,2220 575.32,2275 625.32,2275 675.32,2275 725.32,2275 575.32,2325 625.32,2325 675.32,2325 725.32,2325
VCC3.3_2520: C8.1 C9.1 C10.1 C11.1 C12.1 C13.1 C14.1 FB2.1 L1.1 R10.1 U1.8 U1.11 U1.14 U1.16 U1.20 U1.22 U1.24 U1.26 U2.13 U2.14 U2.15 | length 724.2
  Top Layer w8: v1(3280.32,1740.63) R10.1@3297.6,1740.63 ; v1(3325.32,1970.63) 3326.26,1971.57 U1.14@3355.83,1971.57 ; v1(3325.32,2030.63) U1.11@3355.83,2030.63 ; v1(3405.32,1900.63) 3410.94,1906.26 U1.16@3410.94,1936.14 ; U1.20@3489.68,1936.14 3489.68,1906.26 v1(3495.32,1900.63) ; L1.1@3503.03,1595.63 3524.69,1595.63 v1(3525.32,1595) ; U2.13@3525.12,1727.24 3553.7,1727.24 v1(3555.32,1725.63) 3555.32,1722.91 C11.1@3577.6,1700.63 ; U2.14@3525.12,1752.83 3553.11,1752.83 v1(3555.32,1750.63) 3567.6,1750.63 C12.1@3577.6,1740.63 ; U2.15@3525.12,1778.43 3553.11,1778.43 v1(3555.32,1780.63) C10.1@3577.6,1780.63 ; U1.22@3544.8,1971.57 3550.32,1966.06 v1(3550.32,1955.63) ; U1.24@3544.8,2010.94 3575,2010.94 v1(3575.32,2010.63) ; U1.26@3544.8,2050.31 3575,2050.31 v1(3575.32,2050.63)
  Top Layer w12: v2(3323.43,2092) 3325.74,2089.68 U1.8@3355.83,2089.68
  Top Layer w15: U1.8@3359.84,2093.7 FB2.1@3359.84,2170
  Bottom Layer w8: v1(3325.32,2030.63) C8.1@3355.79,2030.63 ; v2@3325.32,2090.63 3340.32,2105.63 C9.1@3362.6,2105.63 ; v1(3405.32,1900.63) 3447.6,1942.91 C14.1@3450.32,1942.91 ; C13.1@3538.03,2030.63 3558.03,2050.63 v1(3575.32,2050.63)
VCC3.3_EDISON: M2.8 M2.10 | length 81.4
  Top Layer w8: M2.8@2134.84,1161.97 2134.84,1194.53 2135.32,1195 2150.32,1195 2150.59,1194.72 M2.10@2150.59,1161.97
VCC3.3A: C83.1 C84.1 C85.1 C86.1 C87.1 C88.1 C89.1 FB6.1 J2.9 J2.12 R41.1 R42.1 R43.1 R44.1 R45.1 U10.5 U10.10 U10.49 U10.51 U10.54 U10.57 U10.64 | length 4072.3
  Top Layer w8: v1(2085.32,2385) 2085.47,2385.16 U10.57@2114.06,2385.16 ; v1(2085.32,2445) 2086.1,2444.21 U10.54@2114.06,2444.21 ; v1(2085.32,2505) 2087.05,2503.27 U10.51@2114.06,2503.27 ; v1(2085.32,2545) 2087.68,2542.64 U10.49@2114.06,2542.64 ; U10.64@2114.06,2247.36 2114.06,2231.26 v1(2115.32,2230) ; v1(2215.32,2185) 2216.42,2186.1 U10.5@2216.42,2223.74 ; v1(2305.32,2195) 2314.84,2204.53 U10.10@2314.84,2223.74
  Top Layer w15: v2(2175.32,2670) 2175.79,2669.53 FB6.1@2175.79,2635
  Bottom Layer w8: v1(2085.32,2385) C86.1@2112.6,2385 ; v1(2085.32,2445) 2112.6,2445 ; v1(2085.32,2505) C89.1@2112.6,2505 ; v1(2085.32,2545) 2107.6,2545 C88.1@2112.6,2550 ; v1(2215.32,2185) C83.1@2215.32,2222.28 ; C84.1@2290.32,2222.28 2290.32,2210 v1(2305.32,2195)
  Bottom Layer w10: R45.1@3130.32,2697.72 3130.32,2780 3190.32,2840 3220.32,2840 ; R44.1@3225.32,2697.72 3225.32,2835 3220.32,2840 ; R43.1@3265.32,2697.72 3265.32,2840 ; R41.1@3440.32,2697.72 R42.1@3400.32,2697.72 3400.32,2855 ; J2.9@3499.33,2992.91 3499.33,2954.02 3400.32,2855 ; 3220.32,2840 3265.32,2840 ; 3265.32,2840 3385.32,2840 3400.32,2855
  Bottom Layer w15: v2(2175.32,2670) 2175.32,2650 2112.6,2587.28 ; C84.1@2290.32,2222.28 C83.1@2215.32,2222.28 2123.03,2222.28 v1(2115.32,2230) 2112.6,2232.72 C85.1@2112.6,2290 C86.1@2112.6,2385 2112.6,2445 C87.1@2112.6,2465 C89.1@2112.6,2505 C88.1@2112.6,2550 2112.6,2587.28 ; J2.9@3499.33,2992.91 3427.24,3065 3065.32,3065 3001.3,3000.98 J2.12@3001.3,2933.07 2959.37,2975 2145.32,2975 2040.32,2870 2040.32,2748 2112.6,2675.72 2112.6,2587.28
VDD1.8_ETH_CORE: C70.1 C71.1 C72.1 U10.15 U10.38 | length 797.3
  Top Layer w8: U10.38@2334.53,2566.26 2334.53,2594.21 v1(2335.32,2595) ; U10.15@2413.27,2223.74 2413.27,2197.05 v1(2415.32,2195)
  Top Layer w10: v1(2335.32,2595) 2335.32,2629.53 C70.1@2335.79,2630
  Bottom Layer w10: v1(2335.32,2595) 2335.32,2575 2342.6,2567.72 C72.1@2360.32,2567.72 2423.03,2567.72 2440.32,2585 2480.32,2585 2510.32,2555 2510.32,2245 2487.6,2222.28 C71.1@2390.32,2222.28 2390.32,2205 2400.32,2195 v1(2415.32,2195)
VDD1.8_ETH_ETH_PLL: C74.1 FB7.1 U10.48 | length 89.9
  Top Layer w8: U10.48@2137.68,2566.26 C74.1@2137.68,2609.65
  Top Layer w12: FB7.1@2134.84,2655 2137.68,2652.17 C74.1@2137.68,2609.65
VDD1.8_ETH_USB_PLL: C73.1 FB7.2 U10.62 | length 467.4
  Top Layer w8: v1(2087.66,2282.65) 2091.75,2286.73 U10.62@2114.06,2286.73
  Top Layer w12: v2(2045.32,2655) FB7.2@2075.79,2655
  Bottom Layer w12: v2(2045.32,2655) 2055.32,2645 C73.1@2055.32,2282.72 2055.38,2282.65 v1(2087.66,2282.65)
VEXT_IN: C53.1 C54.1 C56.1 C57.1 C59.1 C60.1 C94.1 C95.1 C96.1 C97.1 FB5.1 R53.1 R54.1 U11.1 U11.7 U12.2 U14.5 U15.2 U16.2 | length 6170.3
  Top Layer w15: C59.1@563.03,2550 563.03,2580 R54.1@565.32,2582.28 ; U14.5@1682.72,2661.85 U14.5@1685.32,2659.25 ; v2(2030.32,1890) 2029.84,1889.53 C97.1@2029.84,1855 2034.84,1860 C96.1@2057.6,1860 ; C95.1@2804.13,2654.53 2805,2655.39 C94.1@2805,2692.28 2837.28,2692.28 v1(2840,2695)
  Top Layer w20: v2(1685.32,2110) v2(1685.32,2620) U14.5@1685.32,2659.25
  Top Layer w30: C59.1@563.03,2550 564.84,2548.19 C60.1@564.84,2505 565.32,2504.53 U12.2@626.3,2504.53 674.84,2504.53 690.16,2519.84 690.16,2629.84 755,2694.68 755,2865 v2(645,2975)
  VCC w15: v2(1685.32,2620) 1520.32,2785 1520.32,2930 1570.32,2980 2755.32,2980 2840.32,2895 2840.32,2695.32 v1(2840,2695)
  VCC w30: v2(645,3115) v2(645,2975) 755,2865 755,2770 520.29,2535.29 520.29,2165 575.29,2110 v2(1685.32,2110) 1905.32,1890 v2(2030.32,1890)
  Bottom Layer w15: v2(2030.32,1890) 2032.52,1887.8 U15.2@2032.52,1859.13 ; U16.2@2804.13,2692.8 2837.8,2692.8 v1(2840,2695)
  other v2: 645,3020 645,3065
VSYS: C49.1 C51.1 C52.1 FB1.2 FB4.1 M2.2 M2.4 M2.6 M2.14 P3.2 | length 4165.5
  VCC w30: 115,2600 60.32,2545.32 60.32,1334.68 141,1254 1050.32,1254 ; v2(1050.32,1555) 1050.32,1254 ; v2(2050.32,1254) 1050.32,1254
  Bottom Layer w30: P3.2@225.32,2205 367.28,2346.97 C52.1@367.28,2570 367.28,2618.19 C51.1@365.47,2620 356.85,2628.62 C49.1@356.85,2695
  other v2: 2050.32,1200 1050.32,1400 1200.32,1405 1050.32,1475 1130.32,1475 1200.32,1475 1130.32,1555 1195.32,1555
  other v3: 175,2575 235,2575 295,2575 145,2635 205,2635 265,2635 175,2695 235,2695 295,2695 145,2755 205,2755 265,2755
pads on no net: D9.4 J2. J2.7 J4.4 J6.4 M1.9 M1.17 M1.19 M2. M2.7 M2.19 M2.21 M2.23 M2.29 M2.31 M2.36 M2.38 M2.40 M2.49 M2.50 M2.67 M2.69 P1. P2. Q4.2 Q6.2 Q6.3 SW1. U1.15 U1.18 U1.21 U3.2 U3.3 U3.4 U3.6 U3.7 U3.25 U3.26 U3.27 U3.29 U3.30 U3.31 U3.49 U3.50 U3.51 U5.2 U5.4 U5.5 U5.6 U5.7 U5.16 U6.12 U6.13 U6.14 U6.15 U6.16 U10.8 U10.9 U10.13 U10.18 U10.23 U10.24 U10.25 U10.26 U10.31 U10.35 U10.36 U10.37 U10.42 U10.43 U10.45 U10.47 U15.5 U15.8 U16.5 U16.7 U16.8 U17.2 U17.4 U17.5 U17.6 U17.7 U17.16 U17.18 U17.19
copper on no net:
  other v2: 2030.32,1650

## Polygon pours and split planes (outlines as drawn)
VEXT_IN on Bottom Layer "Top Layer-No Net" (solid, pour order 40): 610.32,2855 610.31,3010 350.31,3010 350.32,3149.61 635.32,3149.61 745.32,3149.61 745.32,3020 745.32,2875 745.32,2855 805.32,2855 805.32,2785 720.32,2785 715.32,2785 715.32,2860 715.32,2855
NetL5_2 on Bottom Layer "Top Layer-No Net" (solid, pour order 36): 484.03,3031.31 354.03,3031.31 354.03,3081.31 99.03,3081.31 99.03,2986.31 319.03,2986.31 404.03,2986.31 404.03,2991.31 404.03,3006.31 484.03,3006.31
NetC55_1 on Bottom Layer "Top Layer-No Net" (solid, pour order 10): 758.43,2583.74 758.42,2783.74 1028.43,2783.74 1028.43,2583.74
GND on Bottom Layer "Top Layer-No Net" (solid, pour order 62): 10.31,0 10.31,3149.61 3907.48,3149.61 3907.48,0
VSYS on Bottom Layer "VSYS" (solid, pour order 44): 384.28,2798.58 384.28,2538.58 64.28,2538.58 64.28,2798.58
NetC50_1 on Bottom Layer "Top Layer-No Net" (solid, pour order 42): 407.02,2800 407.02,2949.16 276.09,2949.16 276.09,2928.79 276.09,2800
VSYS on Top Layer "Top Layer-No Net" (solid, pour order 24): 2190.32,1110 2190.31,1295 2020.31,1295 2020.32,1110
NetC1_1 on Top Layer "Top Layer-No Net" (solid, pour order 22): 1347.6,1272.61 1047.6,1272.61 1047.6,1377.61 1347.6,1377.61
VSYS on Top Layer "Top Layer-No Net" (solid, pour order 30): 1234.45,1384.14 1234.45,1569.14 1004.45,1569.14 1004.45,1384.14
GND on Top Layer "Top Layer-No Net" (solid, pour order 52): 9.84,0 9.84,3149.61 3907.48,3149.61 3907.48,0
VCC3.3 on Top Layer "Top Layer-No Net" (solid, pour order 46): 515.32,2190 750.32,2190 750.32,2355 675.32,2355 675.32,2475 515.32,2475
VCC3.3_2520 on VCC "Top Layer-No Net" (solid, pour order 26): 3255.32,2120 3255.32,1580 3595.32,1580 3610.32,1580 3610.32,2120
VSYS on VCC "Top Layer-No Net" (solid, pour order 28): 2090.31,1165 2090.31,1295 2020.31,1295 2020.31,1165
VSYS on VCC "Top Layer-No Net" (solid, pour order 32): 1236.04,1386.42 1236.04,1571.42 1006.04,1571.42 1006.04,1386.42
VCC3.3 on VCC "Top Layer-No Net" (solid, pour order 60): 9.84,3149.61 9.84,0 3907.48,0 3907.48,3149.61
VSYS on VCC "Top Layer-No Net" (solid, pour order 48): 384.28,2798.58 384.28,2538.58 64.28,2538.58 64.28,2798.58
GND on GND "Top Layer-No Net" (solid, pour order 58): 9.84,0 9.84,3149.61 3907.48,3149.61 3907.48,0
GND on GND (Mid4) "Top Layer-No Net" (solid, pour order 54): 9.84,0 9.84,3149.61 3907.48,3149.61 3907.48,0

## Keep-outs
Keep-Out Layer:
  the board outline again, w10

## Other copper
Top Layer:
  pour cut-out: 2545,550 2545,640 2615,640 2615,550
  pour cut-out: 2120,550 2120,640 2190,640 2190,550
  pour cut-out: 1695,550 1695,640 1765,640 1765,550
  pour cut-out: 1270,550 1270,640 1340,640 1340,550
  pour cut-out: 107.24,3083.11 315.91,3083.11 315.91,2833.11 107.24,2833.11
VCC:
  pour cut-out: 1695,550 1695,640 1765,640 1765,550
  pour cut-out: 2120,550 2120,640 2190,640 2190,550
  pour cut-out: 2545,550 2545,640 2615,640 2615,550
  pour cut-out: 1270,550 1270,640 1340,640 1340,550
  pour cut-out: 107.24,3083.11 315.91,3083.11 315.91,2833.11 107.24,2833.11
GND:
  pour cut-out: 1695,550 1695,640 1765,640 1765,550
  pour cut-out: 2120,550 2120,640 2190,640 2190,550
  pour cut-out: 2545,550 2545,640 2615,640 2615,550
  pour cut-out: 1270,550 1270,640 1340,640 1340,550
  pour cut-out: 107.24,3083.11 315.91,3083.11 315.91,2833.11 107.24,2833.11
GND (Mid4):
  pour cut-out: 1695,550 1695,640 1765,640 1765,550
  pour cut-out: 2120,550 2120,640 2190,640 2190,550
  pour cut-out: 2545,550 2545,640 2615,640 2615,550
  pour cut-out: 1270,550 1270,640 1340,640 1340,550
  pour cut-out: 107.24,3083.11 315.91,3083.11 315.91,2833.11 107.24,2833.11
Bottom Layer:
  pour cut-out: 1695,550 1695,640 1765,640 1765,550
  pour cut-out: 2120,550 2120,640 2190,640 2190,550
  pour cut-out: 2545,550 2545,640 2615,640 2615,550
  pour cut-out: 1270,550 1270,640 1340,640 1340,550
  pour cut-out: 107.24,3083.11 315.91,3083.11 315.91,2833.11 107.24,2833.11

## Silkscreen, mask and mechanical layers (free items; w line width, h text height)
Top Overlay:
  region: 115.37,667.78 260,667.78 260,745 230.58,745 230.58,814.86 302.29,714.36 307.19,714.36 380.12,814.86 380.12,745 350.7,745 350.7,667.78 495.33,667.78 495.33,745 465.91,745 465.91,861.44 495.33,861.44 495.33,938.66 380.73,938.66 307.19,836.93 303.51,836.93 229.97,938.66 115.37,938.66 115.37,861.44 143.56,861.44 143.56,745 115.37,745
  lines w10: 68.91,0 68.91,3149.61 ; 3848.42,0 3848.42,3149.61
  text "5V 3A" at 1030.32,3130 h30 r270
  text "Serial" at 1435.32,3130 h30 r270
  text "Program" at 1915.32,3130 h30 r270
  text "Case" at 3685,3095 h30
  text "GND" at 3705.32,2700 h30
  text "VSYS" at 310,2245 h24 r270
  text "3.3" at 45,2170 h24 r90
  text "BLDR" at 2940.32,2150 h30
  text "PA5" at 310,2130 h24 r270
  text "PA4" at 45,2070 h24 r90
  text "GP46" at 310,2045 h24 r270
  text "PA3" at 45,1975 h24 r90
  text "GND" at 310,1935 h24 r270
  text "GND" at 45,1875 h24 r90
  text "RX" at 310,1820 h24 r270
  text "TX" at 45,1780 h24 r90
  text "SDA" at 310,1740 h24 r270
  text "SCL" at 45,1675 h24 r90
  text "CLK" at 310,1640 h24 r270
  text "CS1" at 45,1575 h24 r90
  text "MISO" at 310,1540 h24 r270
  text "MOSI" at 45,1460 h24 r90
  text "GND" at 130,1275 h30
  text "PWRBTN#" at 1880,700 h30
  text "Intel Edison Gateway V3 / Kuo, Dec. '16" at 115,455 h48
  text "GPS" at 1270,435 h30
  text "Cell,Pri" at 1620,430 h30
  text "Cell,Div" at 2050,430 h30
  text "EDISON" at 2505.32,430 h30
  text "CC2538" at 2930.32,430 h30
  text "CC2520" at 3355.32,430 h30
  text "GND" at 3705,395 h30
  text "GND" at 130.32,390 h30
Bottom Overlay:
  text "JTAG" at 3050.32,2150 h30
Top Solder:
  region: 3804.07,3136.35 3804.07,3011.35 3904.07,3011.35 3904.07,3136.35
Mechanical 15:
  lines w5: -19.68,590 3937.01,590 ; 645.32,3225 3575.32,3225

## Text inside footprints (layer, text, board x,y; h text height)
ANT1: Mechanical 15 "PCB Edge" at 3544.17,-22.4 h30 r180
ANT2: Mechanical 15 "PCB Edge" at 3119.17,-22.4 h30 r180
ANT3: Mechanical 15 "PCB Edge" at 2694.17,-22.4 h30 r180
ANT4: Mechanical 15 "PCB Edge" at 1419.17,-22.4 h30 r180
ANT5: Mechanical 15 "PCB Edge" at 1844.17,-22.4 h30 r180
ANT6: Mechanical 15 "PCB Edge" at 2269.17,-22.4 h30 r180
D2: Mechanical 15 "Board Edge" at 671.57,-10.35 h30 r180
D5: Mechanical 15 "Board Edge" at 1066.57,-10.35 h30 r180
D8: Mechanical 15 "Board Edge" at 997.56,3147.56 h30
D9: Mechanical 15 "Board Edge" at 1411.89,3160.35 h30
J4: Mechanical 15 "Board Edge" at 1877.05,3188.43 h30 r180
J6: Mechanical 15 "Board Edge" at 1402.05,3188.43 h30 r180
M1: Top Overlay "10" at 1347.6,2167.13 h60 r180; Top Overlay "11" at 461.77,2157.28 h60 r180; Top Overlay "20" at 481.46,1251.77 h60 r180; Top Overlay "1" at 1318.07,1251.77 h60 r180; Top Overlay "Antenna Connectors" at 1377.13,1084.45 h60 r180; Top Overlay "GPS" at 1386.97,2304.92 h60 r180
SW1: Mechanical 15 "PCB Edge" at 178.78,3153.43 h60